# Altium PCB Copy of Board.PcbDoc (part 1 of 4)
Units mm, origin at the board's own origin, x right, y up, seen from the top; angles counter-clockwise.
Board outline 69.6 x 30 mm, 6 copper layers (Top Layer, Int1 (GND), Int2 (Sign), Int3 (Sign), Int4 (PWR), Bottom Layer), stack 1.538 mm thick; 168 components, 266 nets, 1359 pads, 531 vias.
Unrouted connection lines stored in the file: 254.
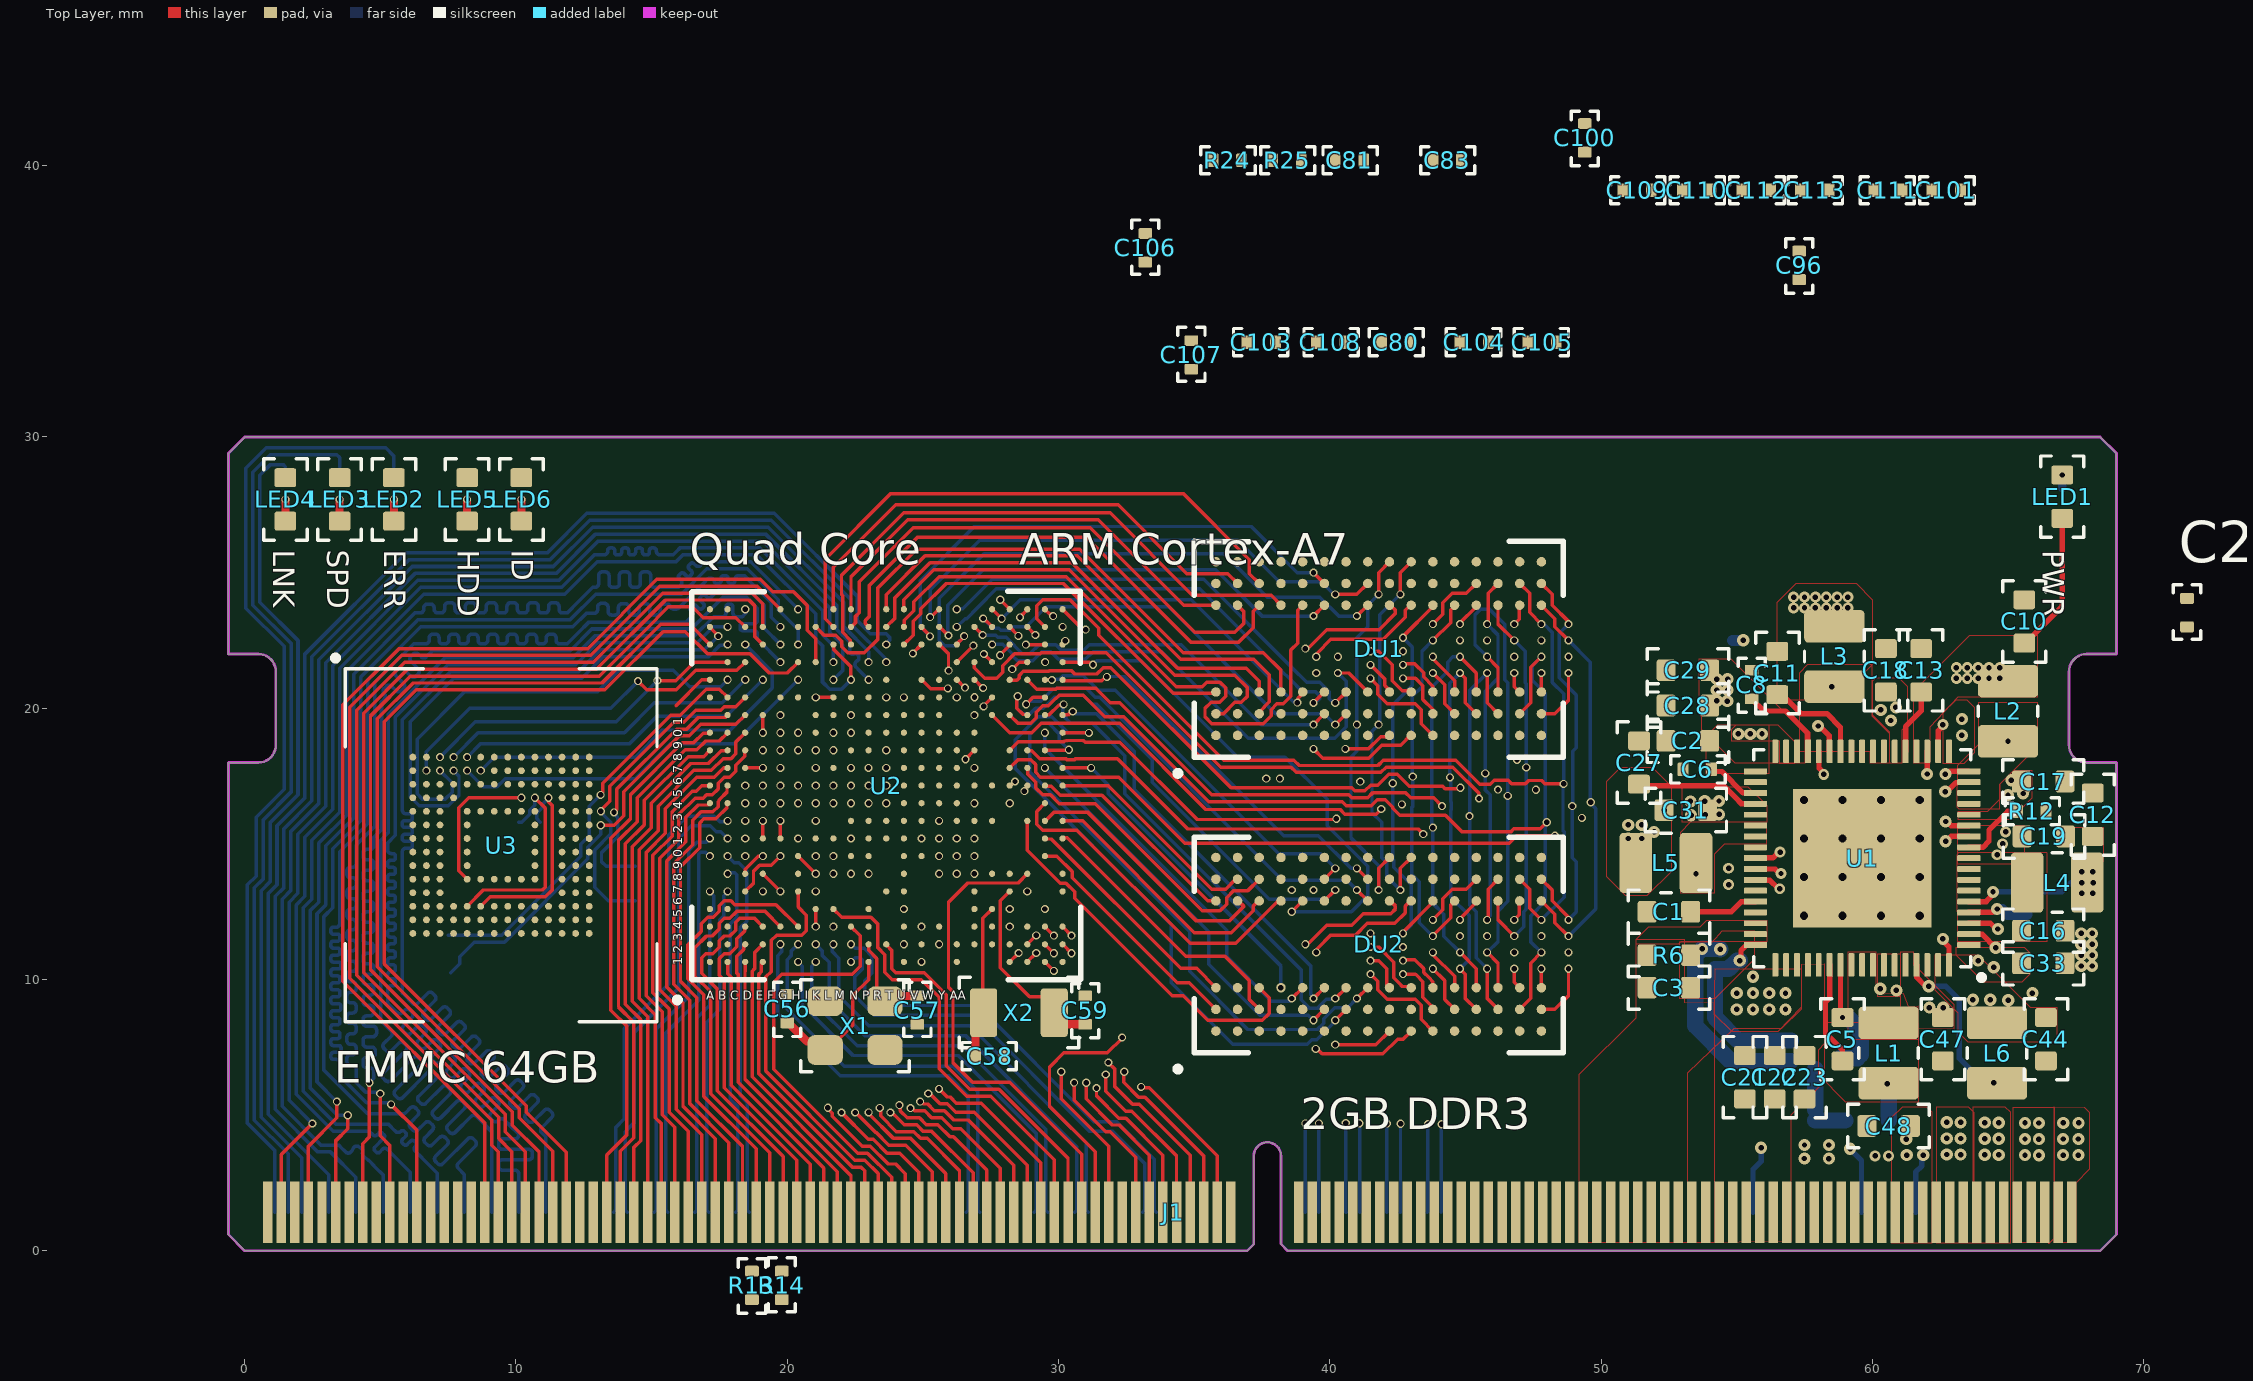
[diagram p0: Top Layer view]
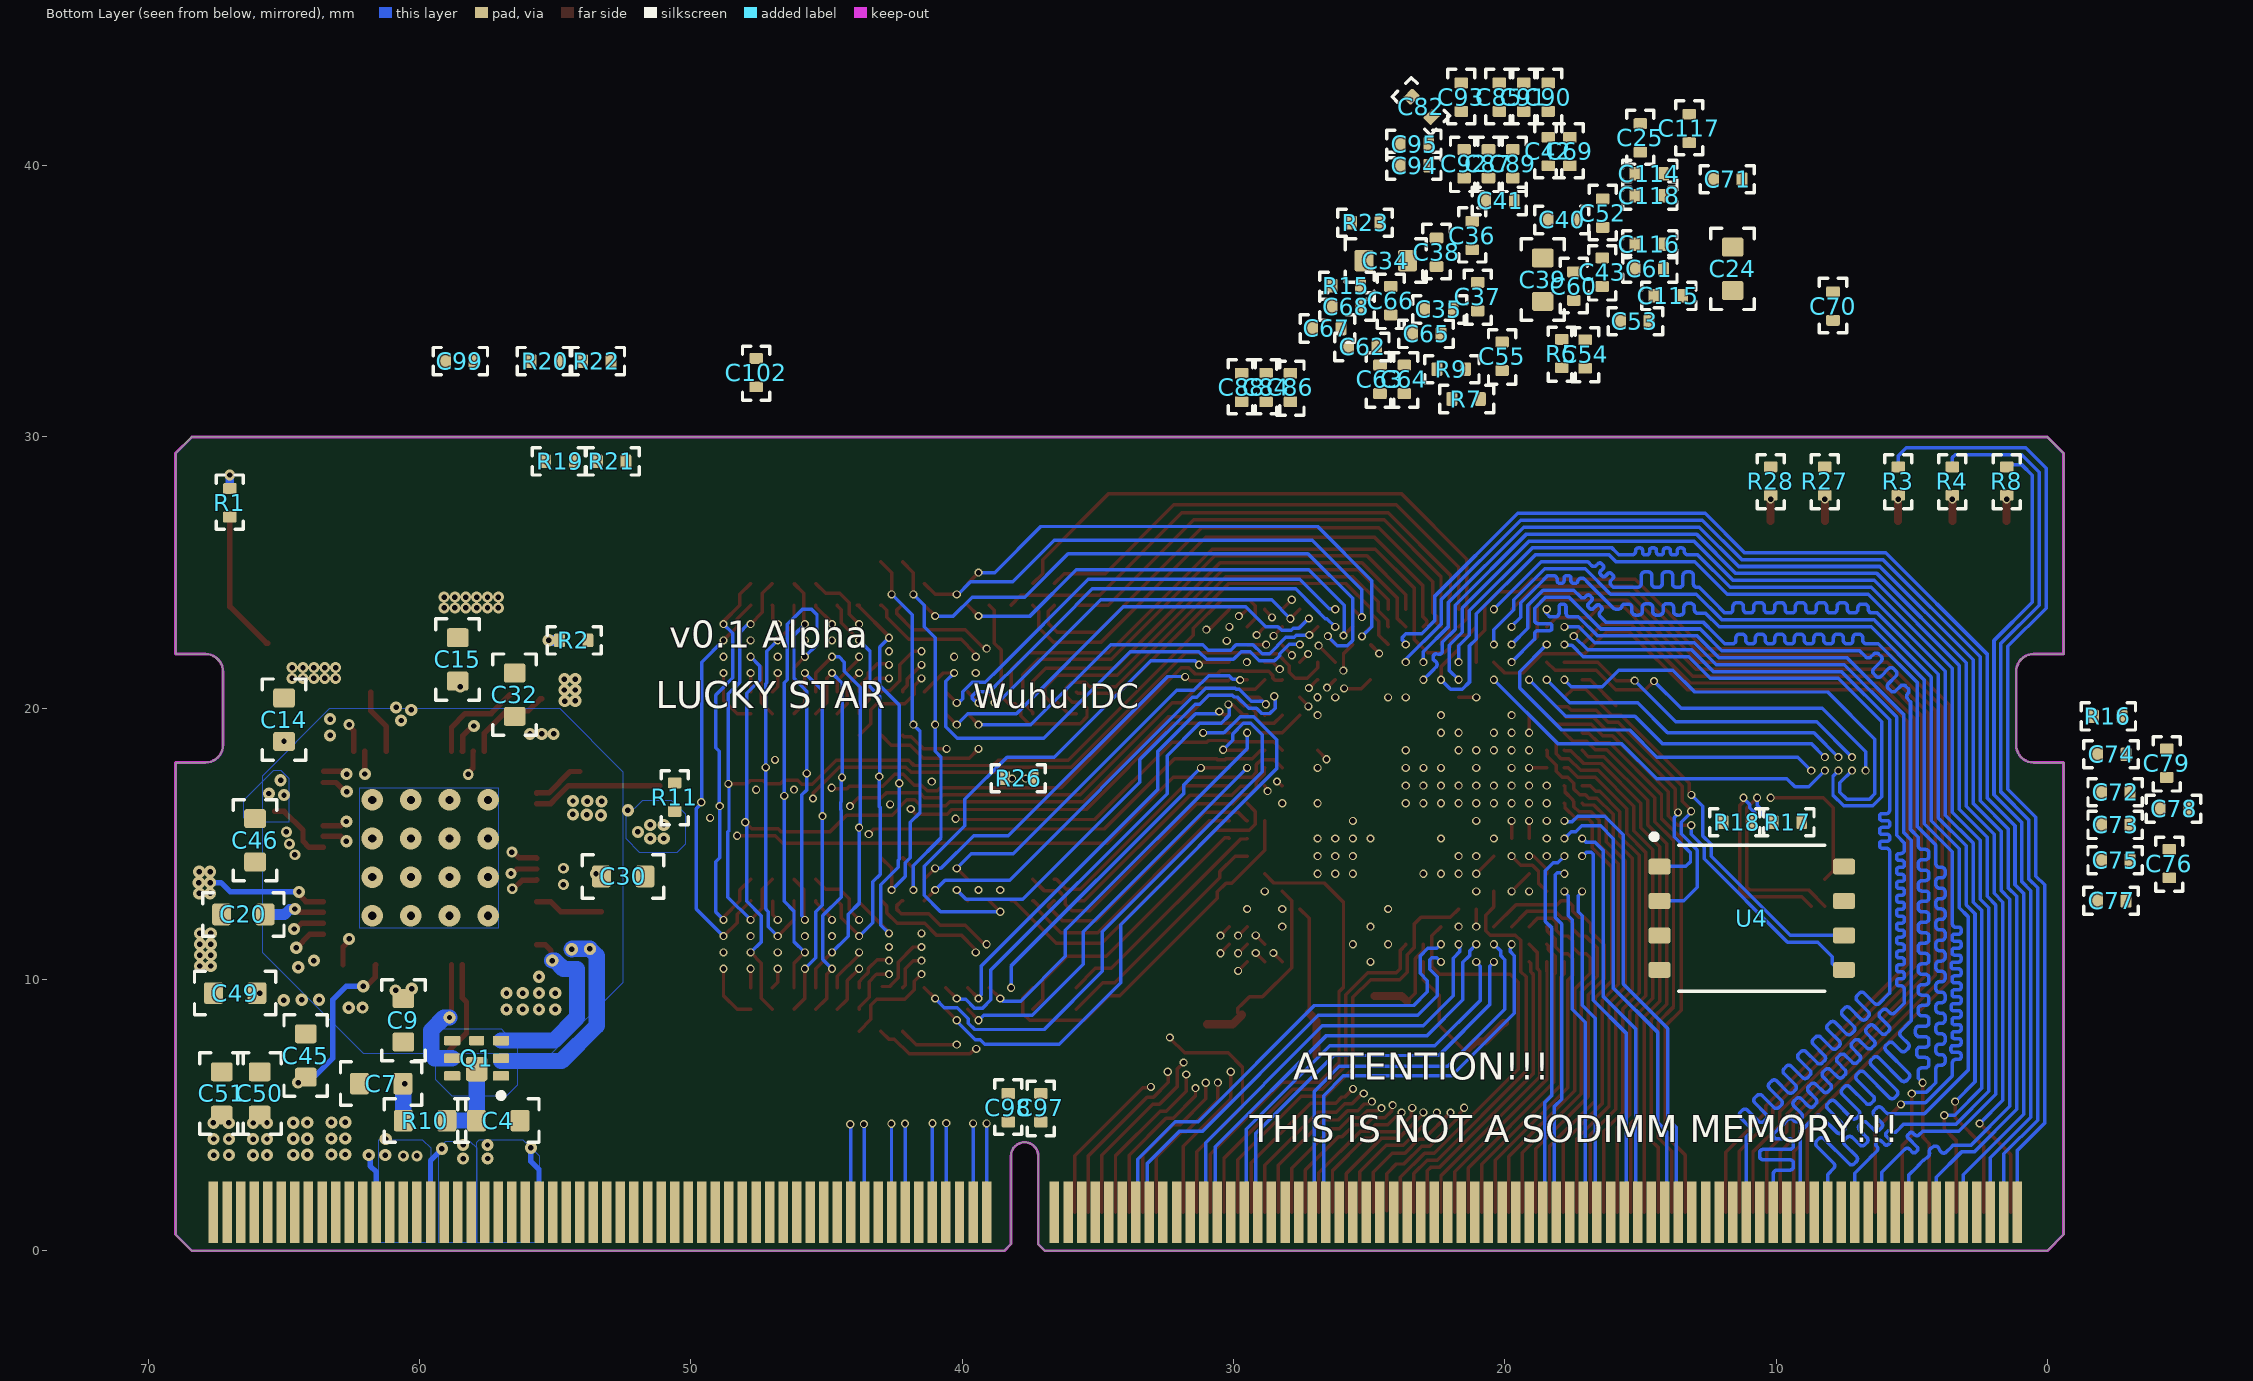
[diagram p1: Bottom Layer view, seen from below]
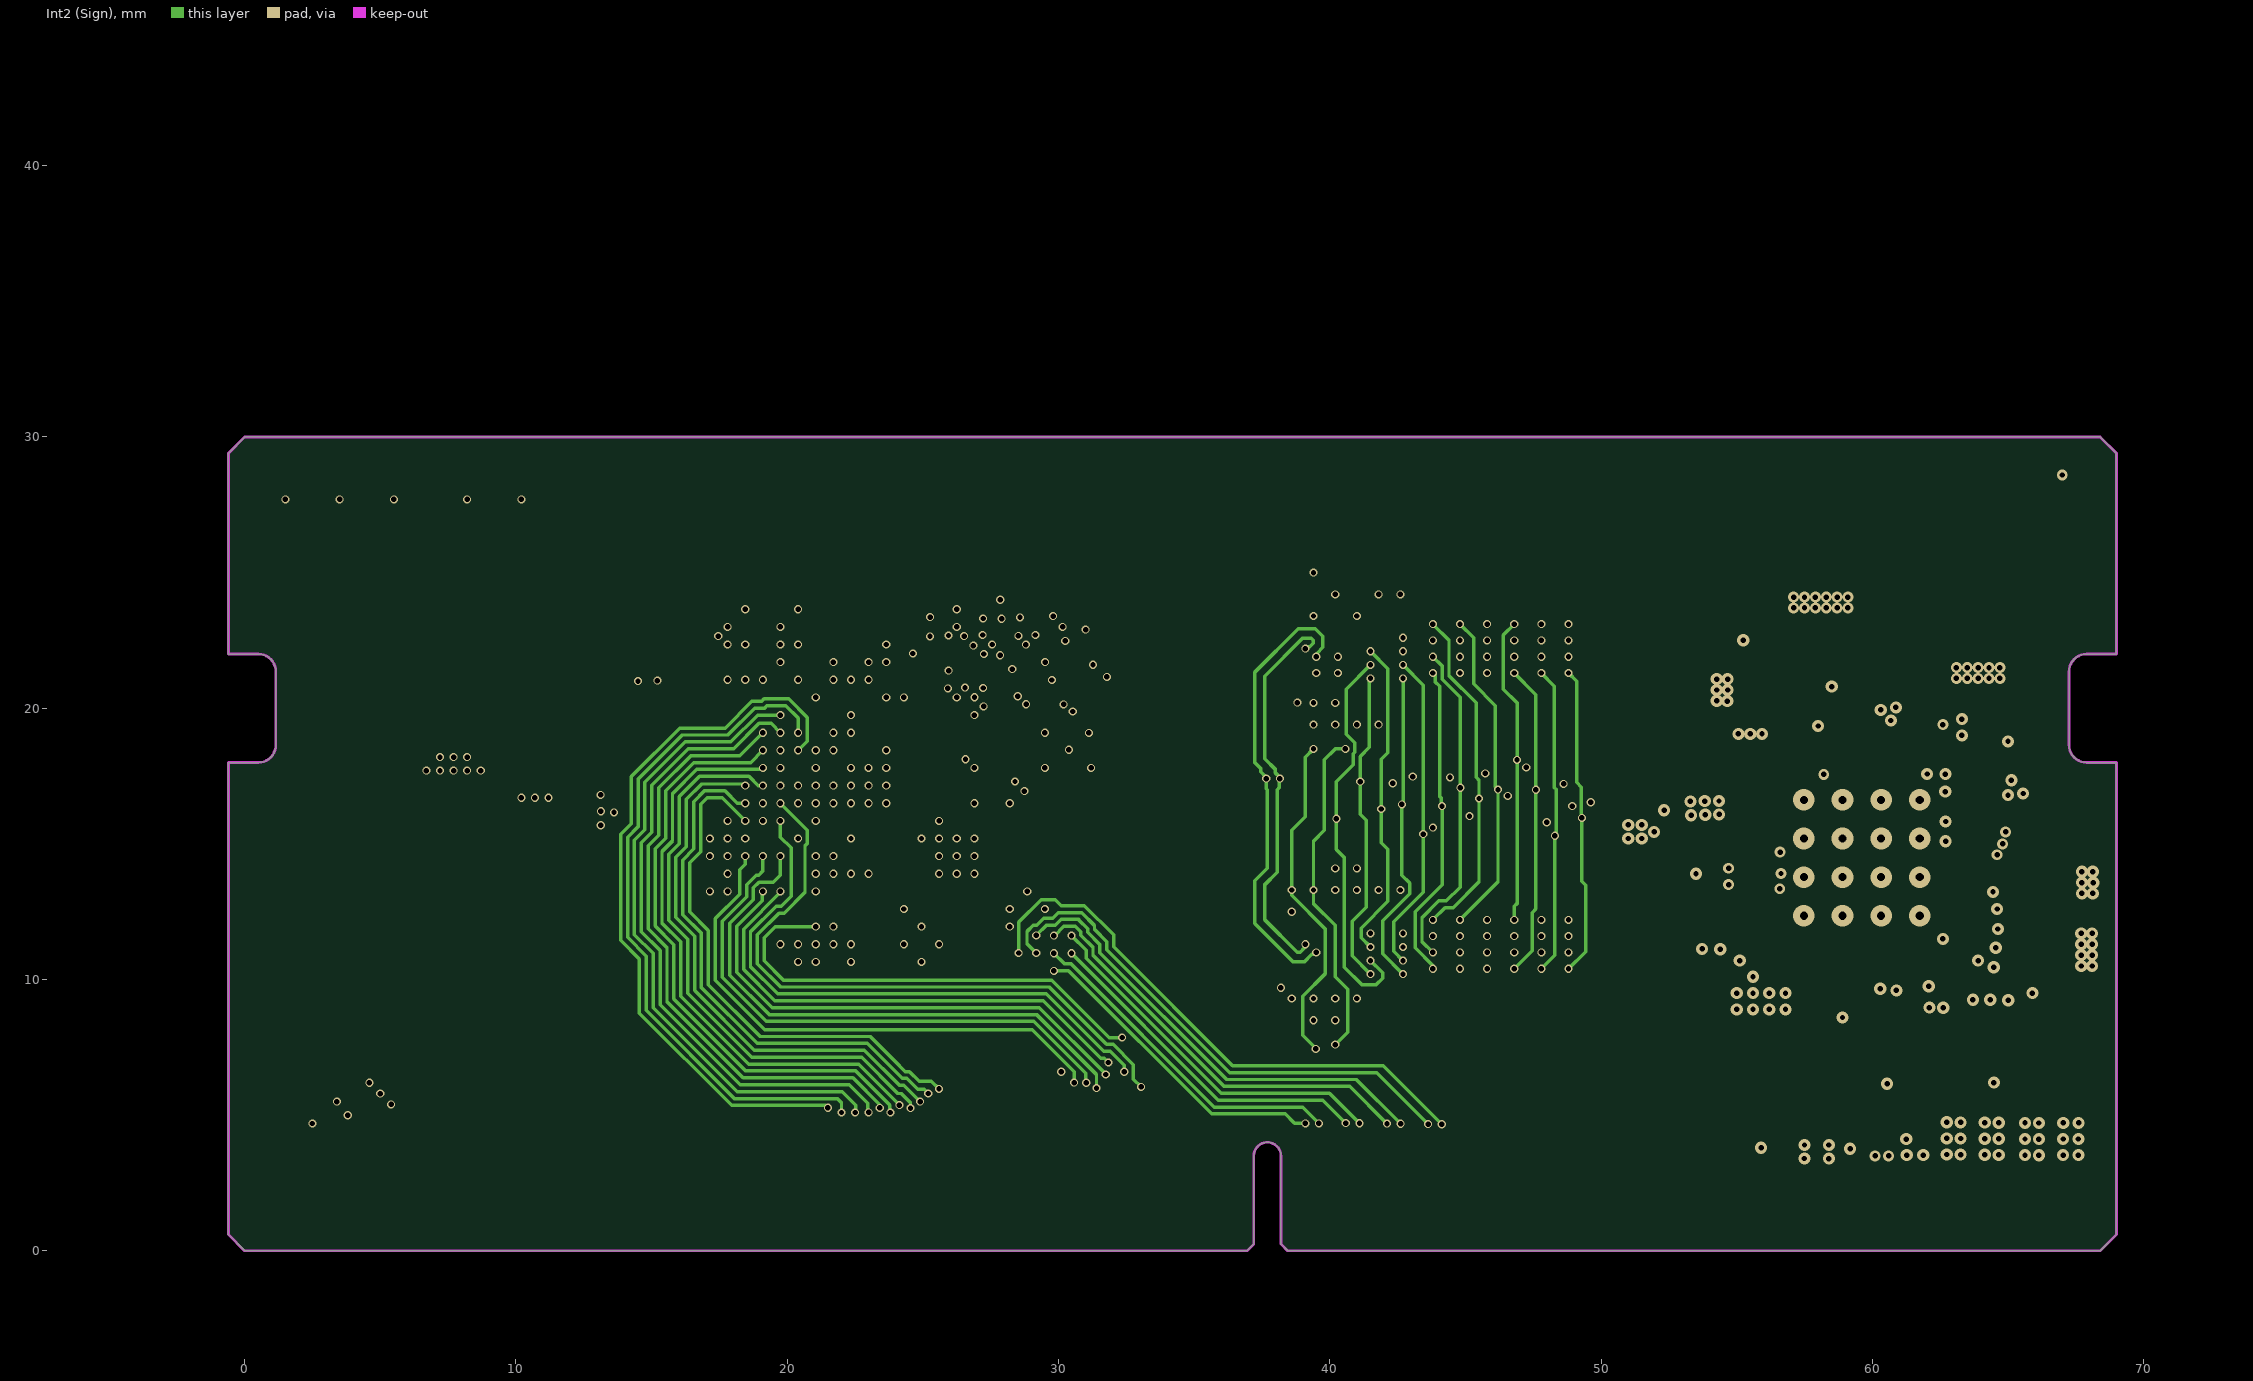
[diagram p2: Int2 (Sign)]
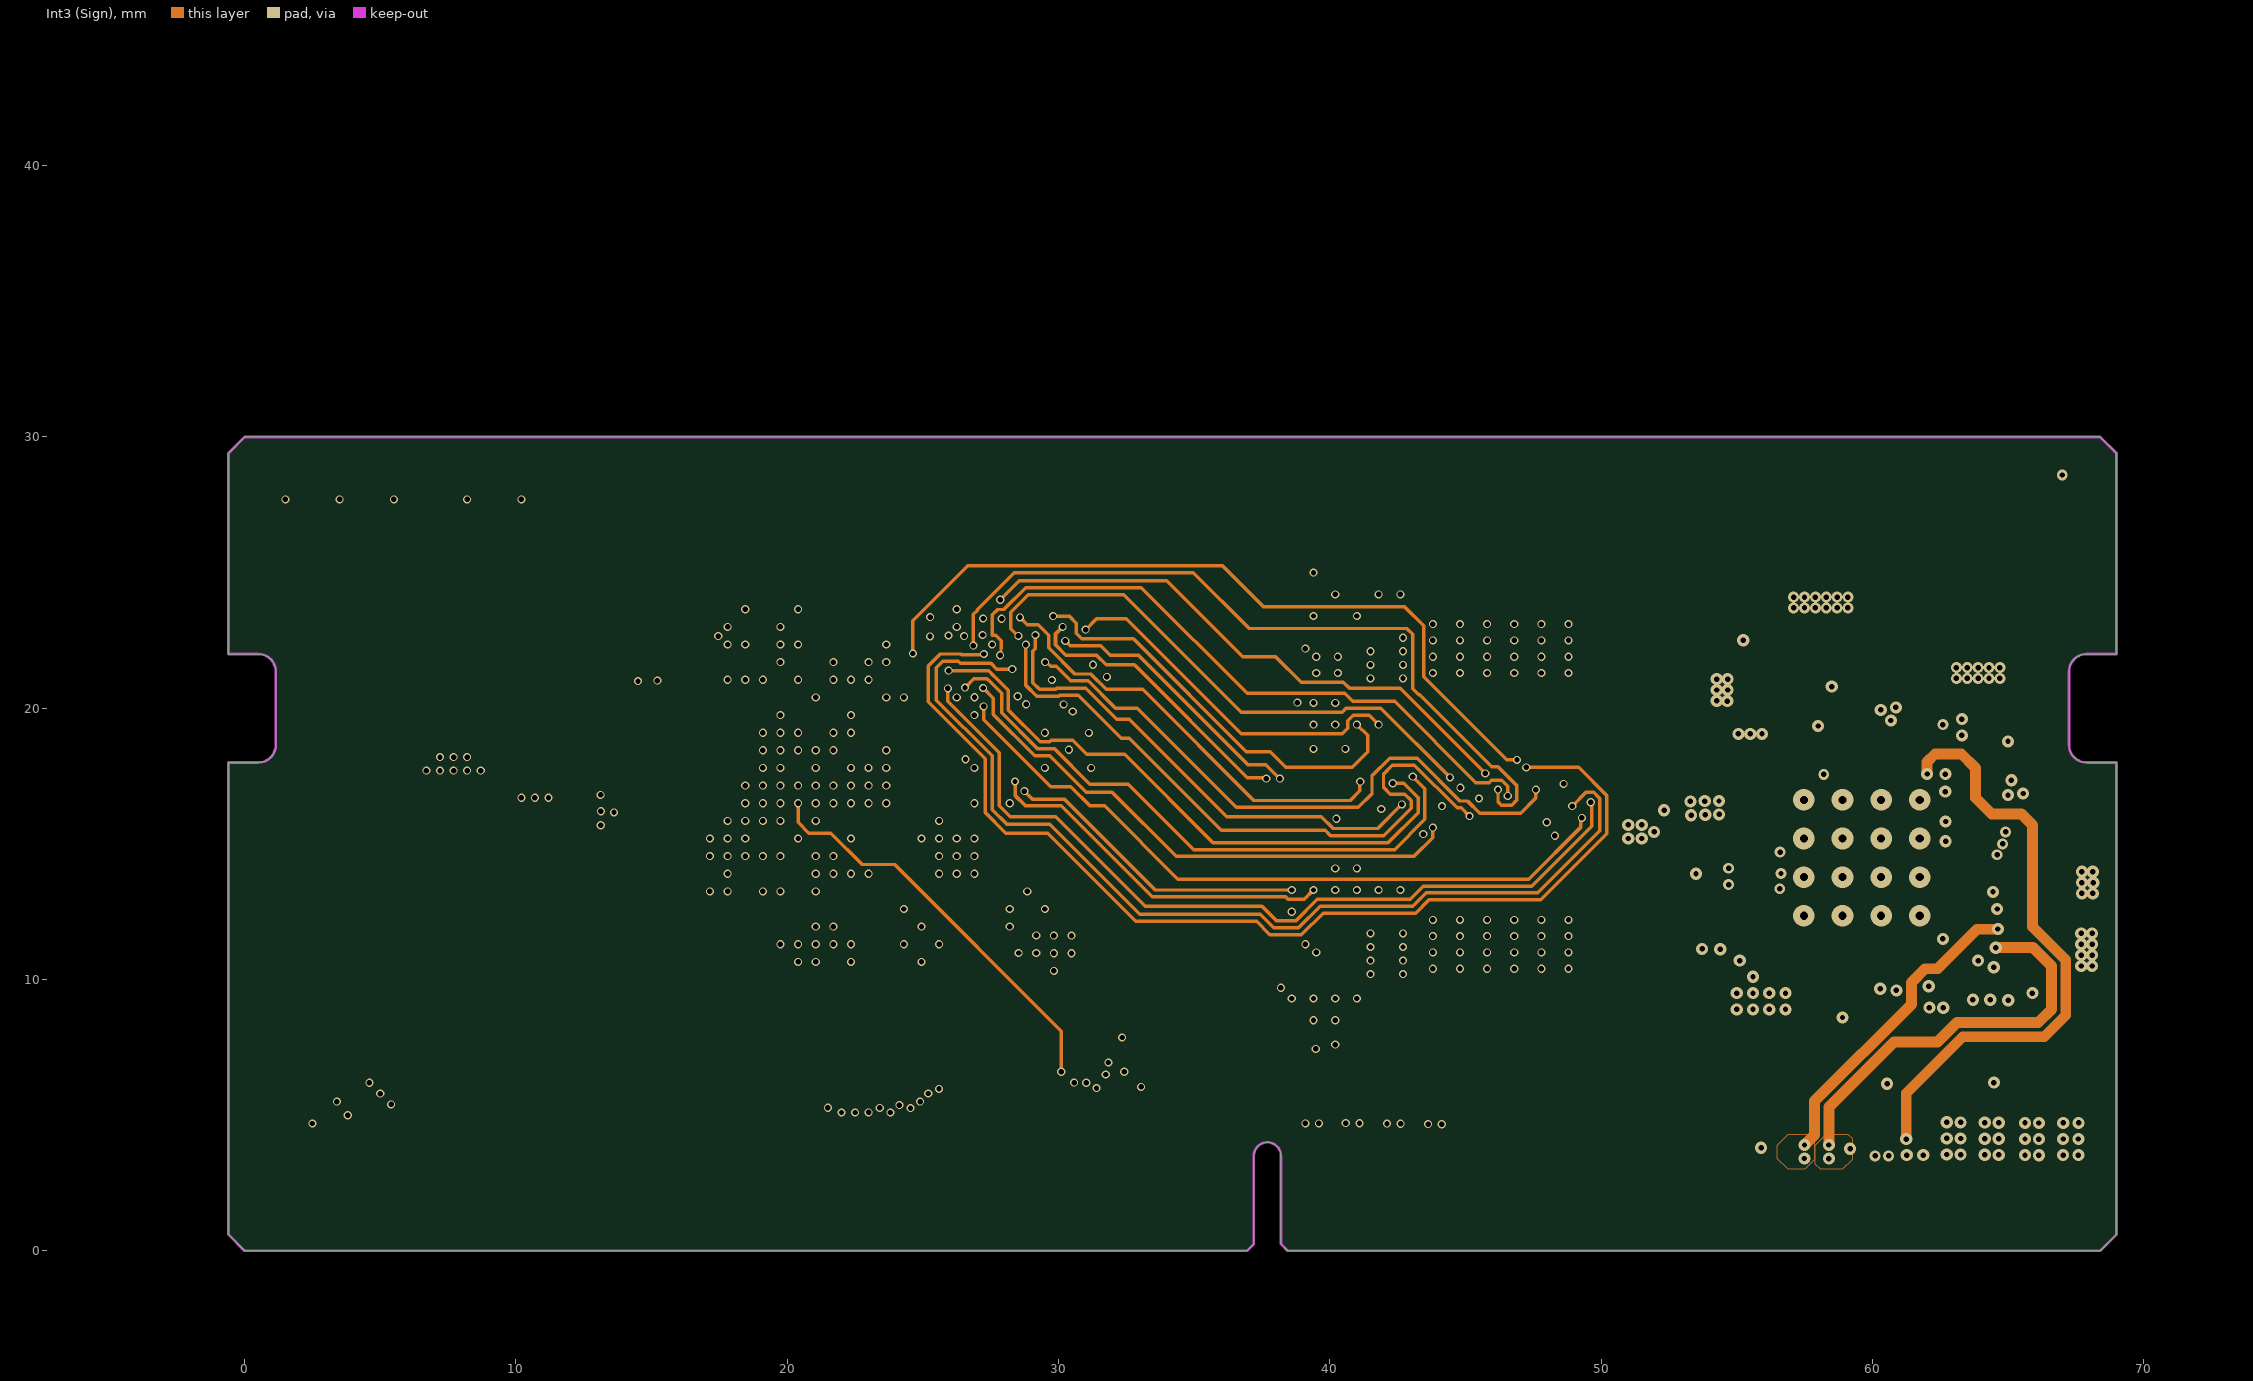
[diagram p3: Int3 (Sign)]
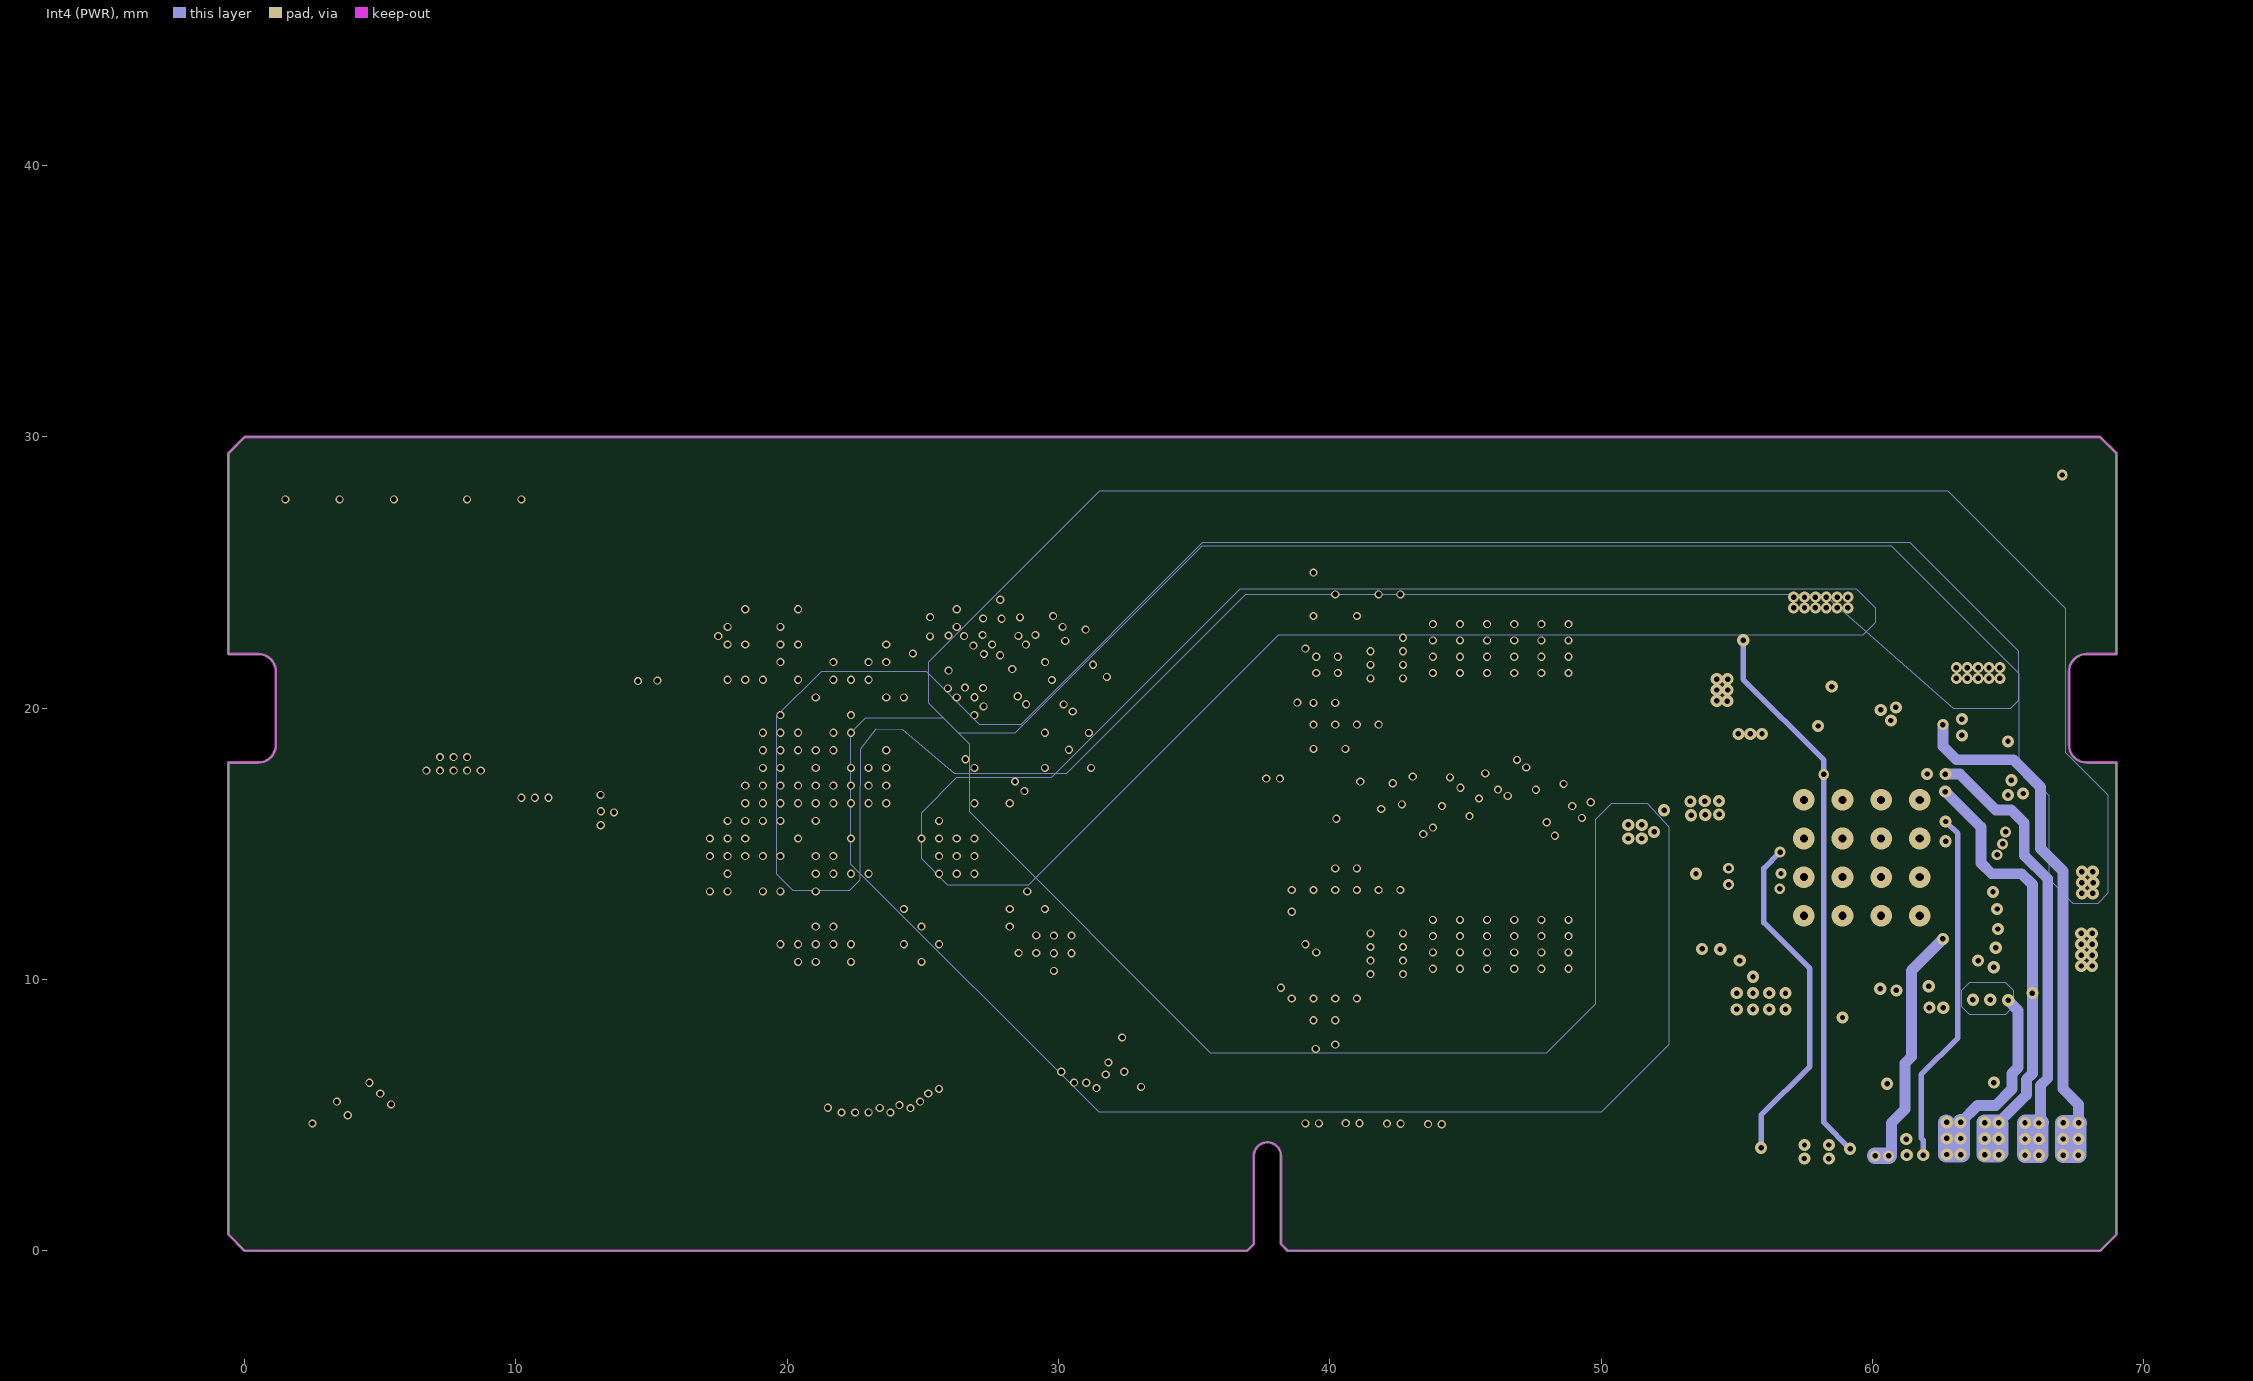
[diagram p4: Int4 (PWR)]

## Layer stack, top to bottom
Top Solder: solder mask 0.0254, SM-001, Dk 4
Top Layer: signal copper 0.035
Dielectric 1: prepreg 0.0994, PP-006, Dk 4.1
Int1 (GND): signal copper 0.0152
Dielectric 3: core 0.55, Core-035, Dk 4.7
Int2 (Sign): signal copper 0.0152
Dielectric 4: prepreg 0.0544, PP-006, Dk 4.1
Dielectric 5: prepreg 0.0544, PP-006, Dk 4.1
Int3 (Sign): signal copper 0.0152
Dielectric 6: core 0.55, Core-035, Dk 4.7
Int4 (PWR): signal copper 0.0152
Dielectric 8: prepreg 0.0994, PP-006, Dk 4.1
Bottom Layer: signal copper 0.035
Bottom Solder: solder mask 0.0254, SM-001, Dk 4

## Board outline
0,0 -0.6,0.6 -0.6,18 0.5,18 ccw(c0.5,18.65) 1.15,18.65 1.15,21.35 ccw(c0.5,21.35) 0.5,22 -0.6,22 -0.6,29.4 0,30 68.4,30 69,29.4 69,22 67.9,22 ccw(c67.9,21.35) 67.25,21.35 67.25,18.65 ccw(c67.9,18.65) 67.9,18 69,18 69,0.6 68.4,0 38.45,0 38.2,0.25 38.2,3.5 ccw(c37.7,3.5) 37.2,3.5 37.2,0.25 36.95,0

## Design rules (kind name [scope] priority, off if disabled: settings)
AssemblyTestPointUsage [All] p0: scope1count=1 scope1_0_kind=Board scope1_0_value=Board scope2count=1 scope2_0_kind=Board scope2_0_value=Board commentlength=0
AssemblyTestpoint [All] p0: scope1count=1 scope1_0_kind=Board scope1_0_value=Board scope2count=1 scope2_0_kind=Board scope2_0_value=Board commentlength=0
Clearance [All] p0: scope1count=1 scope1_0_kind=Board scope1_0_value=Board scope2count=1 scope2_0_kind=Board scope2_0_value=Board commentlength=0 gap=0.127
Clearance [All] p1: gap=0.127 ignorepadtopadclearanceinfootprint=TRUE
ComponentClearance [All] p0: scope1count=1 scope1_0_kind=Board scope1_0_value=Board scope2count=1 scope2_0_kind=Board scope2_0_value=Board commentlength=0 gap=0.254 collisioncheckmode=3
DiffPairsRouting "Schematic Differential Pairs Routing_11" [All] p0 off: scope1count=1 scope1_0_kind=Board scope1_0_value=Board scope2count=1 scope2_0_kind=Board scope2_0_value=Board commentlength=74 // Protel DXP Scope 1 Expression Was: InDifferentialPairClass('HDMI_TX0')
DiffPairsRouting "Schematic Differential Pairs Routing_10" [All] p0 off: scope1count=1 scope1_0_kind=Board scope1_0_value=Board scope2count=1 scope2_0_kind=Board scope2_0_value=Board commentlength=74 // Protel DXP Scope 1 Expression Was: InDifferentialPairClass('HDMI_TX2')
DiffPairsRouting "Schematic Differential Pairs Routing_9" [All] p0 off: scope1count=1 scope1_0_kind=Board scope1_0_value=Board scope2count=1 scope2_0_kind=Board scope2_0_value=Board commentlength=74 // Protel DXP Scope 1 Expression Was: InDifferentialPairClass('HDMI_TX1')
DiffPairsRouting "Schematic Differential Pairs Routing_6" [All] p0 off: scope1count=1 scope1_0_kind=Board scope1_0_value=Board scope2count=1 scope2_0_kind=Board scope2_0_value=Board commentlength=74 // Protel DXP Scope 1 Expression Was: InDifferentialPairClass('HDMI_TXC')
DiffPairsRouting "Schematic Differential Pairs Routing_20" [All] p0 off: scope1count=1 scope1_0_kind=Board scope1_0_value=Board scope2count=1 scope2_0_kind=Board scope2_0_value=Board commentlength=70 // Protel DXP Scope 1 Expression Was: InDifferentialPairClass('USB2')
DiffPairsRouting "Schematic Differential Pairs Routing_18" [All] p0 off: scope1count=1 scope1_0_kind=Board scope1_0_value=Board scope2count=1 scope2_0_kind=Board scope2_0_value=Board commentlength=70 // Protel DXP Scope 1 Expression Was: InDifferentialPairClass('USB1')
DiffPairsRouting "Schematic Differential Pairs Routing_8" [All] p0 off: scope1count=1 scope1_0_kind=Board scope1_0_value=Board scope2count=1 scope2_0_kind=Board scope2_0_value=Board commentlength=70 // Protel DXP Scope 1 Expression Was: InDifferentialPairClass('USB0')
DiffPairsRouting "Schematic Differential Pairs Routing_5" [All] p0 off: scope1count=1 scope1_0_kind=Board scope1_0_value=Board scope2count=1 scope2_0_kind=Board scope2_0_value=Board commentlength=70 // Protel DXP Scope 1 Expression Was: InDifferentialPairClass('USB3')
DiffPairsRouting "Schematic Differential Pairs Routing_4" [All] p0: scope1count=1 scope1_0_kind=NetClass scope1_0_value=DDR3_DIFF_DQS2 scope2count=1 scope2_0_kind=Board scope2_0_value=Board commentlength=0
DiffPairsRouting "Schematic Differential Pairs Routing_3" [All] p0: scope1count=1 scope1_0_kind=NetClass scope1_0_value=DDR3_DIFF_DQS3 scope2count=1 scope2_0_kind=Board scope2_0_value=Board commentlength=0
DiffPairsRouting "Schematic Differential Pairs Routing_2" [All] p0: scope1count=1 scope1_0_kind=NetClass scope1_0_value=DDR3_DIFF_DQS0 scope2count=1 scope2_0_kind=Board scope2_0_value=Board commentlength=0
DiffPairsRouting "Schematic Differential Pairs Routing_1" [All] p0: scope1count=1 scope1_0_kind=NetClass scope1_0_value=DDR3_DIFF_CK scope2count=1 scope2_0_kind=Board scope2_0_value=Board commentlength=0
DiffPairsRouting "Schematic Differential Pairs Routing" [All] p0: scope1count=1 scope1_0_kind=NetClass scope1_0_value=DDR3_DIFF_DQS1 scope2count=1 scope2_0_kind=Board scope2_0_value=Board commentlength=0
DiffPairsRouting [All] p0: scope1count=1 scope1_0_kind=Board scope1_0_value=Board scope2count=1 scope2_0_kind=Board scope2_0_value=Board commentlength=0
DiffPairsRouting "Schematic Differential Pairs Routing_11" [InDifferentialPairClass('HDMI_TX0')] p1: maxlimit=0.229 minlimit=0.229 mostfreqgap=0.229 toplayer_minwidth=0.128 toplayer_maxwidth=0.13 toplayer_prefwidth=0.129 midlayer1_minwidth=0.128 midlayer1_maxwidth=0.13 midlayer1_prefwidth=0.129 midlayer2_minwidth=0.128 midlayer2_maxwidth=0.13 midlayer2_prefwidth=0.129 midlayer3_minwidth=0.128 midlayer3_maxwidth=0.13 midlayer3_prefwidth=0.129 midlayer4_minwidth=0.128 midlayer4_maxwidth=0.13 midlayer4_prefwidth=0.129 bottomlayer_minwidth=0.128 bottomlayer_maxwidth=0.13 bottomlayer_prefwidth=0.129 maxuncoupledlength=12.7
DiffPairsRouting "Schematic Differential Pairs Routing_10" [InDifferentialPairClass('HDMI_TX2')] p2: maxlimit=0.229 minlimit=0.229 mostfreqgap=0.229 toplayer_minwidth=0.128 toplayer_maxwidth=0.13 toplayer_prefwidth=0.129 midlayer1_minwidth=0.128 midlayer1_maxwidth=0.13 midlayer1_prefwidth=0.129 midlayer2_minwidth=0.128 midlayer2_maxwidth=0.13 midlayer2_prefwidth=0.129 midlayer3_minwidth=0.128 midlayer3_maxwidth=0.13 midlayer3_prefwidth=0.129 midlayer4_minwidth=0.128 midlayer4_maxwidth=0.13 midlayer4_prefwidth=0.129 bottomlayer_minwidth=0.128 bottomlayer_maxwidth=0.13 bottomlayer_prefwidth=0.129 maxuncoupledlength=12.7